# Altium PCB MPPT.PcbDoc (part 2 of 2)
Units mil, origin at the board's own origin, x right, y up, seen from the top; angles counter-clockwise.
Board outline 7295 x 4725 mil, 4 copper layers (Top, PWR_GND, GND, Bottom), stack 23.712 mil thick; 127 components, 78 nets, 435 pads, 134 vias.
Unrouted connection lines stored in the file: 11.
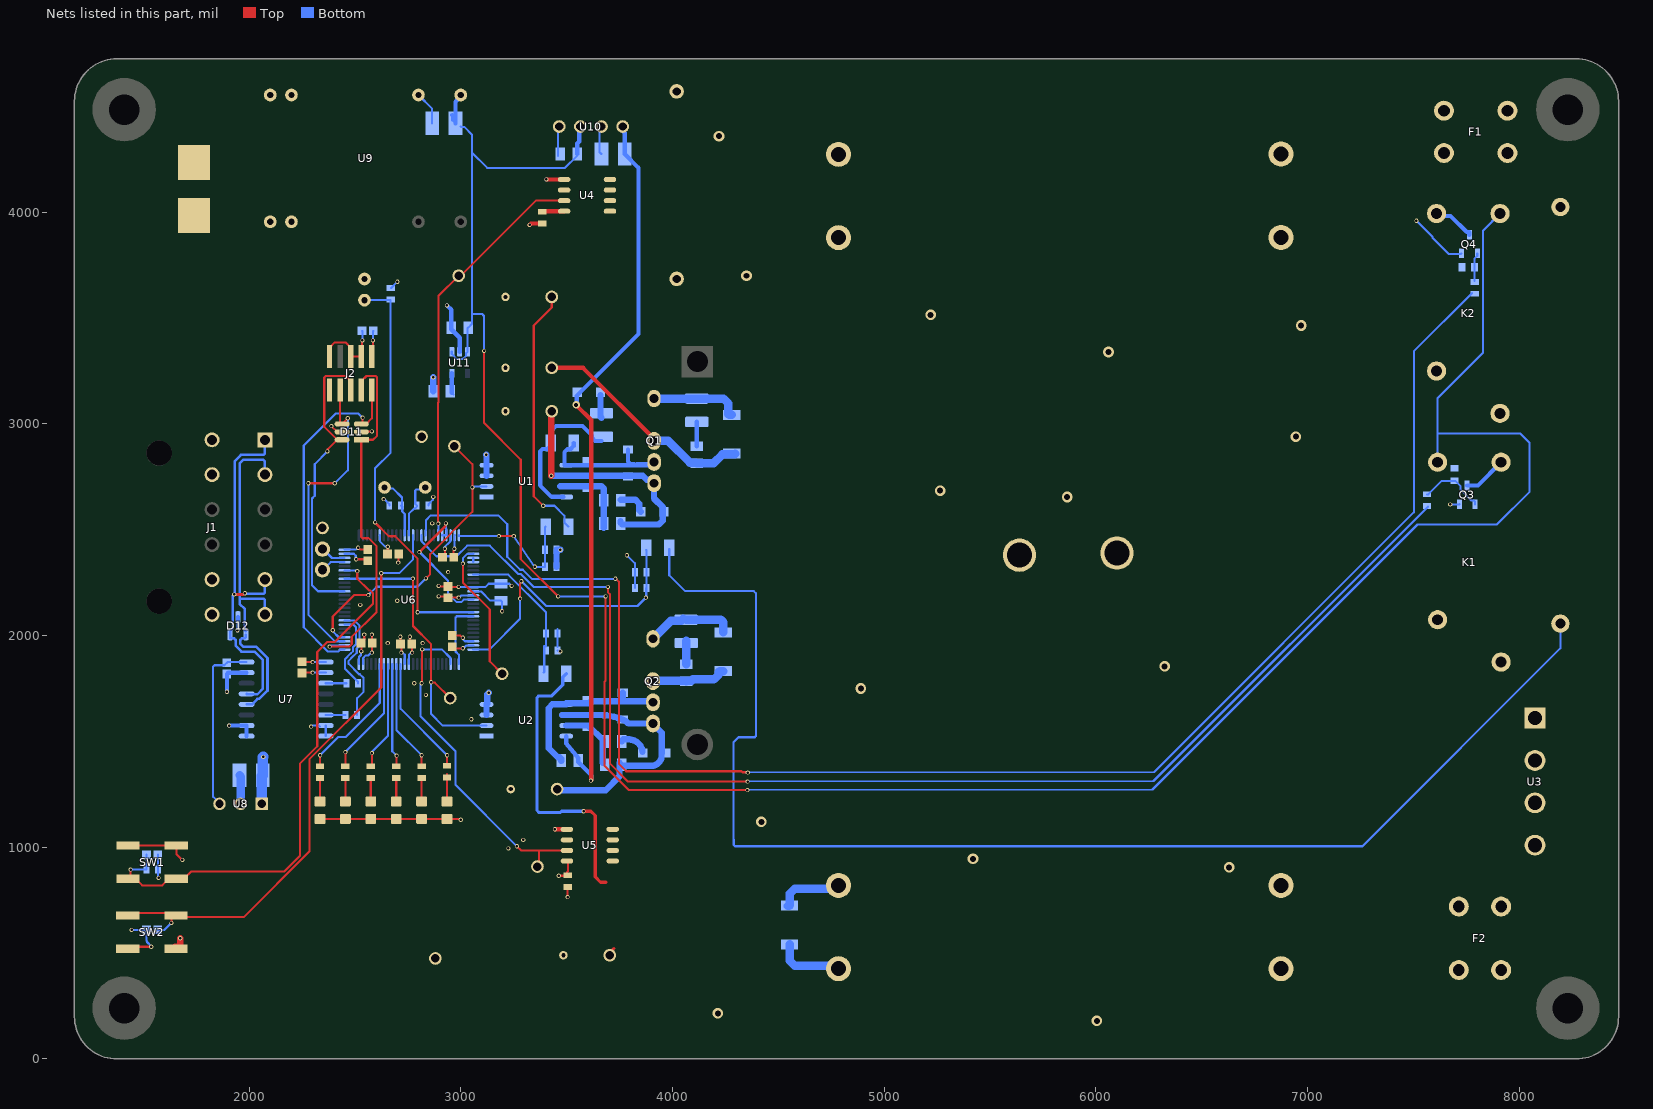
[diagram p4: the nets of this part, all layers, seen from the top]

## Part data (continued)
U11: library part CMP-171-000000-7, "Fixed Positive LDO Regulator, 3.3V, 0.25V Dropout, PDSO5", Dropout Voltage1-Max=250mV, Dropout Voltage1-Nom=120mV, Input Voltage Absolute-Max=6V, Max Input Voltage=5.5V, Min Input Voltage=2.2V, Operating Temperature, TJ-Max=125°C, Operating Temperature, TJ-Min=-40°C, Output Current1-Max=250mA, Output Voltage1-Max=3.366V, Output Voltage1-Min=3.234V, Output Voltage1-Nom=3.3V, Package="SOT-23-5 Texas Instruments", Package Body Material=Plastic, Package Code=LSSOP, Package Equivalence Code=TSOP5/6,.11,37, Package Shape=Rectangular, Package Style="SMALL OUTLINE, LOW PROFILE, SHRINK PITCHMeter", Peak Reflow Temperature (Cel)=260°C, Voltage Tolerance-Max=2%, Adjustability=FIXED, Arrow_Electronics-Purchase-URL=https://snapeda.com/shop?store=Arrow+Electronics&id=379728, Availability=Unavailable, Component Type=Standard, Design Item ID=LP5907MFX-3.0/NOPB, DigiKey-Purchase-URL=https://snapeda.com/shop?store=DigiKey&id=379728, Height - Seated (Max)=1.45mm, JESD-30 Code=R-PDSO-G5, JESD-609 Code=e3, Length=2.9mm, MF="Texas Instruments", Moisture Sensitivity Level=1, Mouser-Purchase-URL=https://snapeda.com/shop?store=Mouser&id=379728, MP=LP5907MFX-3.0/NOPB, Number of Functions=1, Number of Outputs=1, Number of Pins=5, Packaging="Tape and Reel", Pin Count=5, Price=None, Qualification Status="Not Qualified", Reach SVHC Compliant=Yes, Regulator Type="FIXED POSITIVE SINGLE OUTPUT LDO REGULATOR", RoHS Compliant=Yes, SnapEDA_Link=https://www.snapeda.com/parts/LP5907MFX-3.0/NOPB/Texas%20Instruments/view-part/379728/?ref=snap, Source=LP5907MFX-3.0_NOPB.SchLib, Surface Mount=Yes, Technology=CMOS, Terminal Finish=Tin, Terminal Form="Gull Wing", Terminal Pitch=0.95mm, Terminal Position=DUAL, Texas_Instruments-Purchase-URL=https://snapeda.com/shop?store=Texas+Instruments&id=379728, Width=1.6mm
Y1: library part CMP-003-00032-1, "Crystal 8MHz ±10ppm (Tol) ±10ppm (Stability) 18pF FUND 80Ohm 2-Pin HC-49/USX Thru-Hole Bulk", Case/Package=HC-49/USX, Frequency=8MHz, Load Capacitance=18pF, ESR=80, Mounting Technology=TH, Pins=2

## Via types
v1: diameter 19.68, hole 11.81, Top to Bottom, 118 vias
v2: diameter 50, hole 28, Top to Bottom, 15 vias
v3: diameter 35, hole 20, Top to Bottom, 1 vias

## Nets (pads, with @x,y where several pads share a name; then routed paths per layer and width w, separated by ;. In a path a pad name is that pad's centre, name@x,y a point inside that pad or via, vN(x,y) a via of type N, cw(c..) or ccw(c..) an arc to the next point about the centre after c; other vN are vias at no path point)
+3.3: C3.2 C4.2 C12.2 C13.2 C14.2 C15.2 C16.2 C17.2 C18.1 C19.2 C24.2 C25.2 C32.2 D13.1 D14.1 D15.1 D16.1 D17.1 D18.1 J2.1 J3.1 SW1.2 SW1.3 U1.1 U2.1 U4.8 U5.8 U6.6 U6.24 U6.36 U6.37 U6.49 U6.64 U6.75 U6.100 U7.1 U11.5 | length 2660.2
  Top w10: SW1.3@1428.27,1008.74 SW1.2@1656.61,1008.74 1656.61,968.39 v1(1685,940) ; C25.2@2250,1876.57 2251.57,1875 v1(2300,1875) ; D14.1@2335,1133.68 D18.1@2815,1133.68 D13.1@2935,1133.68 2993.7,1133.68 2997.38,1130 v1(3000,1130) ; v1(2515,2415) 2516.91,2415 2525.33,2406.57 C15.2@2560,2406.57 ; v1(2530.25,1925) 2530.25,1963.17 C12.2@2528.43,1965 2543.84,1980.42 v1(2543.84,2005) ; J2.1@2580,3319.06 2580,3324.64 2585,3329.64 v1(2585,3395) ; C16.2@2653.43,2385 2655,2386.57 v1(2655,2420) ; v1(2715,1995) C13.2@2715,1960 2720,1955 v1(2720,1920) ; v1(2895,2185) 2933.43,2185 C14.2@2940,2178.43 2941.57,2180 v1(2990,2180) ; C17.2@2960,1946.85 2966.85,1940 v1(3010,1940) ; C19.2@2966.57,2370 2966.57,2403.95 2970,2407.38 v1(2970,2410) ; v1(3462.91,865.56) 3503,865.56 C4.2@3505,867.56 ; C4.2@3493.33,873.33 3506.73,886.73 U5.8@3506.73,935
  Top w20: C3.2@3385,4002.56 3387.44,4005 U4.8@3488.46,4005
  Bottom w10: v1(2300,1875) U7.1@2362.01,1875 ; U6.100@2450.87,2406.22 2503.6,2406.22 2512.38,2415 v1(2515,2415) ; U6.75@2518.78,1865.87 2519.13,1866.21 2519.13,1898.84 2528.4,1908.12 2528.4,1923.15 v1(2530.25,1925) ; v1(2585,3395) 2585,3438.43 C24.2@2586.57,3440 ; U6.6@2617.2,2474.13 2617.55,2473.79 2617.55,2445.51 2641.21,2421.85 2653.15,2421.85 v1(2655,2420) ; v1(2720,1920) 2721.85,1918.15 2726.58,1918.15 2735.31,1909.41 U6.64@2735.31,1865.87 ; C32.2@2957.6,3147.4 C32.2@2965,3140 ; v1@2971.19,2405.53 2971.19,2473.79 U6.24@2971.54,2474.13 ; v1(2990,2180) 2992.62,2180 3002.31,2189.69 U6.37@3059.13,2189.69 U6.36@3059.13,2209.37 3059.48,2209.02 3095.84,2209.02 3139.87,2165 C18.1@3190,2165 3195,2160 v1(3195,2115) ; v1(3010,1940) 3012.62,1940 3025.74,1953.12 3058.79,1953.12 U6.49@3059.13,1953.46
  Bottom w20: C32.2@2957.6,3147.4 2957.6,3155 U11.5@2957.6,3240.59
+5: C29.1 C30.1 C33.2 K1.2 K2.1 U9.14 U10.2 U11.1 U11.3 | length 11653.7
  Top w10: v1(3110,3345) 3110,3005 3283.42,2831.58 3283.42,2361.58 v1(3460,2185) ; v1(3684.06,2185) 3684.06,1786.5 3679.21,1781.66 3679.21,1385.79 3795,1270 v1(4354.62,1270)
  Bottom w10: U11.1@2957.6,3341.18 2957.6,3331.34 2971.19,3317.75 2971.19,3315.73 2979.39,3307.53 3010.61,3307.53 3025.59,3322.51 3025.59,3334.37 U11.3@3032.4,3341.18 3032.4,3452.4 C33.2@3035,3455 3052.5,3472.5 3052.5,3520 ; C29.1@2960,4460 2960,4435 C29.1@2975,4420 ; C29.1@3000,4405.86 3002.5,4403.36 3016.64,4403.36 3052.5,4367.5 3052.5,4282.5 ; v1(3110,3345) 3110,3510 3100,3520 3052.5,3520 ; v1(3460,2185) v1(3684.06,2185) ; C30.1@3550,4275 3550,4267.5 3492.5,4210 3125,4210 3052.5,4282.5 ; v1(4354.62,1270) 6267.93,1272.93 7520,2525 7895,2525 8050,2680 8050,2910 8005,2955 7615,2955 ; K1.2@7615,2819.09 7615,2955 ; K2.1@7910,3994.09 7830,3914.09 7830,3337.65 7615,3122.65 7615,2955 ; 3052.5,3520 3052.5,4282.5
  Bottom w20: C29.1@2960,4460 C29.1@2975,4445 ; C29.1@2975,4420 C29.1@2975,4445 ; U9.14@3000,4554.21 3000,4547.5 2975,4522.5 C29.1@2975,4445 ; C30.1@3550,4275 3550,4325 3559.51,4334.51 U10.2@3559.51,4395
"+5 Car": C26.1 U7.16 U8.3 | length 828.2
  Bottom w10: U8.3@1860,1205 1860,1207.97 1830,1237.97 1830,1854.14 1835.86,1860 1883.43,1860 C26.1@1895,1871.57 1898.43,1875 U7.16@1987.99,1875
+15: C2.2 C31.2 D1.2 U2.8 U10.4 | length 3527.1
  Top w20: v3(3545,3090) 3616.71,3018.29 3616.71,1316.71 v1(3615,1315)
  Bottom w20: U2.8@3498.21,1525 3498.21,1490.61 3555.32,1421.45 3555.32,1413.31 3555.23,1412.36 C2.2@3555,1410 ; v3(3545,3090) 3547.5,3092.5 3547.5,3132.5 3840,3425 3840,4210 C31.2@3775,4275 3775,4374.18 3755,4394.18 U10.4@3755,4405 ; C2.2@3555,1402.5 3616.71,1340.79 3616.71,1316.71 v1(3615,1315)
+24: F3.2 J1.7 J1.12
Array+: F2.1 U3.3
Array_HAL_REF: U5.6
Array_Measure: F2.2 M3.1 R11A.2 U5.1 U5.2 | length 1418.9
  Top w15: v1(3580,1170) 3615,1170 3635,1150 3635,860 3660,835 3685,835 ; M3.1@3703.7,490 3703.7,502.18 3723.27,521.74
  Bottom w15: R11A.2@3499.13,1820 3482.03,1802.89 3482.03,1766.98 3430.05,1715 3368.79,1715 3360,1706.21 3360,1173.79 3368.79,1165 3471.26,1165 3476.26,1170 v1(3580,1170)
ARRAY_VOLTAGE_BUFFER_OUT: U6.28 U6.29 | length 19.7
  Bottom w10: U6.29@3059.13,2347.17 U6.28@3059.13,2366.85
Bat+: K1.3 K2.4 U3.1
BAT_HAL_REF: U4.6
BATT_VOLTAGE_BUFFER_OUT: U6.21 U6.22 U6.38 | length 656
  Top w10: v1(2805,2395) 2928.15,2518.15 2928.15,2528.15 v1(2930,2530)
  Bottom w10: v1(2805,2395) 2940,2260 2940,2199.11 2980.95,2158.16 3002.38,2158.16 3014.23,2170 U6.38@3059.13,2170 ; U6.21@2912.48,2474.13 U6.22@2932.17,2474.13 2931.82,2474.48 2931.82,2503.34 2930,2505.16 v1(2930,2530)
boost_output: C6.2 C7.2 C8.2 D8.1 M5.1 Q1.1 R6.2 R11B.2 U4.1 U4.2 | length 1647.6
  Top w10: v1(3390,2613.43) 3345,2658.43 3345,3465 3430,3550 M5.1@3430,3600
  Bottom w10: v1(3390,2613.43) 3443.09,2613.43 3489.53,2566.98 3489.53,2534.61 R11B.2@3509.13,2515
  Bottom w40: Q1.1@3913.15,3120 R6.2@4115,3120 4241.24,3120 4264.67,3096.57 4264.67,3046.3 4268.29,3042.68 D8.1@4280,3042.68
BOOT0: C20.2 R8.2 SW1.1 SW1.4 U6.95 | length 2656.6
  Top w10: v1(1440,895) 1440,865.95 1454.69,851.26 1463.7,851.26 1494.96,820 1589.92,820 1621.18,851.26 SW1.1@1656.61,851.26 1692.05,851.26 1726.69,885.9 2166.86,885.9 2240,959.04 2240,1394.93 2321.84,1476.77 2321.84,1922.73 2369.11,1970 2405,1970 2585.44,2150.44 2585.44,2200.72 2572.65,2213.52 2566.48,2213.52 2511.11,2268.89 v1(2511.11,2304.63)
  Bottom w10: v1(1440,895) R8.2@1514.88,895 1514.88,964.01 C20.2@1515.87,965 ; U6.95@2450.87,2307.8 2507.95,2307.8 v1(2511.11,2304.63)
Bootrstrap: C1.2 R1.1 U1.8 | length 688
  Bottom w20: C1.2@3425,2910 3425,2896.49 3410.39,2881.88 3386.72,2881.88 3375,2870.17 3375,2710 3429.44,2655.56 3484.44,2655.56 U1.8@3485,2655 ; C1.2@3425,2930 3425,2965.2 3449.8,2990 3575,2990 3619.88,2945.12 3619.88,2934.61 3634.49,2920 R1.1@3665,2920
CAN_N: D12.1 J1.2 J1.6 U7.12 | length 1686.3
  Bottom w12: D12.1@1985,2005 1985,1992.87 1979.19,1987.06 1965.63,1987.06 1958.6,1980.03 1958.6,1961.4 1973.23,1946.77 2034.34,1946.77 2087,1894.11 2087,1740.2 2047.58,1700.78 2039.36,1700.78 2013.58,1675 U7.12@1987.99,1675 ; D12.1@1985,2020.75 1980,2025.75 1980,2125.39 1955.49,2149.9 1955.49,2175.75 ; J1.6@2074.8,2100 2074.8,2167.97 2067.77,2175 1956.23,2175 1955.49,2175.75 ; J1.2@2074.8,2760.24 2074.8,2822.97 2067.77,2830 1971.36,2830 1956.23,2814.87 1956.23,2193.13 1955.49,2192.38 1955.49,2175.75
CAN_P: D12.2 J1.1 J1.5 U7.13 | length 1717.2
  Top w15: v1(1930,2195) 1973.73,2195 1978.73,2200 v1(1980,2200)
  Bottom w12: v1(1980,2200) 1981.47,2198.53 1986.9,2198.53 1988.43,2197 2067.77,2197 2074.8,2204.03 J1.5@2074.8,2264.96 ; U7.13@1987.99,1725 1990.22,1722.78 2038.46,1722.78 2065,1749.31 2065,1885 2025.23,1924.77 1964.11,1924.77 1936.6,1952.29 1936.6,1980.03 1929.57,1987.06 1912.39,1987.06 1910.2,1989.25 D12.2@1910.2,2005 1910.2,2020.75 1922,2032.55 1922,2101.36 1922,2186.37 1930,2194.37 v1(1930,2195) 1931.47,2196.47 1931.47,2201.9 1932.52,2202.95 1932.52,2824.69 1961.54,2853.72 2067.77,2853.72 2074.8,2860.75 J1.1@2074.8,2925.2
CAN_RX: R9.1 U6.82 | length 371.3
  Bottom w10: U6.82@2450.87,2051.89 2493.11,2051.89 2505,2040 2505,1959.68 2491.41,1946.09 2491.41,1926.36 2480.92,1915.87 2453,1887.95 2453,1843.03 2515.12,1780.91 R9.1@2515.12,1775
CAN_TX: R10.1 U6.83 | length 569.3
  Bottom w10: U6.83@2450.87,2071.57 2497.47,2071.57 2522,2047.04 2522,1952.64 2508.41,1939.05 2508.41,1919.32 2487.96,1898.87 2470,1880.91 2470,1866.69 2518.95,1817.73 2522.82,1817.73 2540.9,1799.66 2540.9,1735.06 2510.12,1704.28 R10.1@2510.12,1625
CAR_GND: C26.2 C28.1 D12.3 J1.8 J1.11 U7.9 U7.10 U7.15 U8.2 U9.2 U9.3 | length 519.3
  Bottom w20: v1(1895,1735) C26.2@1895,1818.43 1901.57,1825 U7.15@1987.99,1825 ; v1(1905.72,1574.91) 1905.81,1575 U7.10@1987.99,1575 U7.9@1987.99,1525 ; v1(1945,2025) 1947.6,2027.6 D12.3@1947.6,2087.68
  Bottom w40: C28.1@1955,1340 1961.35,1333.65 1961.35,1203.65 U8.2@1965,1200
DEBUG: TP8.0 U6.27 | length 680.1
  Top w10: v1(3010,2340) 3010,2250.89 3136.84,2124.05 3136.84,1878.16 TP8.0@3195,1820
  Bottom w10: v1(3010,2340) 3010,2365.68 3030.51,2386.19 3058.79,2386.19 U6.27@3059.13,2386.54
GATE_HIGH: TP3.0 U1.2 U6.79 | length 1471.6
  Top w10: v1(2395,2025) 2395,2090 2496.67,2191.67 v1(2563.6,2191.67) ; v1(2835,2270) 2855,2290 2855,2385 3055,2585 3055,2810 TP3.0@2970,2895
  Bottom w10: v1(2395,2025) 2396.85,2023.15 2396.85,2018.57 2422.25,1993.18 2450.52,1993.18 U6.79@2450.87,1992.83 ; v1(2563.6,2191.67) 2602.76,2230.84 2795.84,2230.84 v1(2835,2270) ; v1(3055,2700) 3057.62,2700 3062.62,2705 U1.2@3121.79,2705
GATE_LOW: TP4.0 U2.2 U6.93 | length 1404.3
  Top w10: v1(2774.31,2269.32) 2774.31,2045.68 2860,1960 v1(2860,1780) 2861.85,1778.15 2876.85,1778.15 TP4.0@2950,1705
  Bottom w10: U6.93@2450.87,2268.43 2451.21,2268.77 2773.77,2268.77 v1(2774.31,2269.32) ; v1(2860,1780) 2860,1630 2915,1575 U2.2@3121.79,1575
GDriveHigh: D2.2 R2.1 R3.1 U1.7 | length 384.4
  Bottom w30: U1.7@3470,2705 U1.7@3498.21,2705 3595,2705 3665,2705 3675,2695 R3.1@3675,2640 R2.1@3675,2540 ; R2.1@3675,2509.75 R2.1@3675,2530
GDriveLow: D5.2 R4.1 R5.1 U2.7 | length 307.2
  Bottom w30: U2.7@3498.21,1575 3570,1575 3602.5,1575 3670,1507.5 3670,1500 R4.1@3670,1400
GND: C3.1 C4.1 C6.1 C7.1 C8.1 C9.1 C10.1 C11.1 C12.1 C13.1 C14.1 C15.1 C16.1 C17.1 C18.2 C19.1 C20.1 C21.1 C22.1 C23.1 C24.1 C25.1 C27A.1 C27B.1 C27C.1 C29.2 C30.2 C31.1 C32.1 C33.1 D9.2 D10.2 D11.2 D11.5 J2.3 J2.5 J2.9 M1.0 M2.0 M3.0 M4.0 M5.0 Q2.2 Q3.2 Q4.2 R8.1 R12A.1 R12B.1 R12C.1 R15.1 R17.1 R24.1 SW2.1 SW2.4 TP5.0 TP6.0 TP7.0 U1.3 U1.4 U2.3 U2.4 U3.2 U3.4 U4.5 U5.5 U6.23 U6.35 U6.48 U6.63 U6.74 U6.99 U7.2 U7.7 U7.8 U9.16 U10.1 U10.3 U11.2 | length 4928.4
  Top w10: SW2.4@1424.53,530 v1(1537.44,530) ; C25.1@2250,1823.43 2251.57,1825 v1(2300,1825) ; J2.9@2380,3319.06 2380,3360.59 2404.8,3385.39 2455.2,3385.39 2480,3360.59 J2.5@2480,3319.06 J2.3@2530,3319.06 2533.15,3322.2 2533.15,3393.15 v1(2535,3395) ; v1(2388.95,2989.6) 2415.97,2962.6 D11.5@2439.39,2962.6 ; v1(2505.46,2360.72) 2552.7,2360.72 C15.1@2560,2353.43 ; D11.2@2530,2962.6 2531.2,2963.8 2578.8,2963.8 v1(2580,2965) ; v1(2580,1920) 2580,1963.43 C12.1@2581.57,1965 2580,1966.57 v1(2580,2005) ; v1(2705,2345) 2705,2383.43 C16.1@2706.57,2385 ; v1(2760,1995) 2760,1968.15 C13.1@2768.15,1960 2770,1958.15 v1(2770,1920) ; v1(2895,2235) 2897.62,2235 2901.05,2231.57 C14.1@2940,2231.57 2941.57,2230 v1(2990,2230) ; C19.1@2913.43,2370 2925,2381.57 v1(2925,2410) ; C17.1@2960,2000 2997.38,2000 3007.38,1990 v1(3010,1990) ; v1(3505,765) C4.1@3505,812.44
  Top w20: v1(3325,3940) 3332.44,3947.44 C3.1@3385,3947.44 ; v1(3405,4155) U4.5@3493.94,4155 ; v1(3445,1085) U5.5@3506.73,1085
  Top w30: SW2.1@1651.61,531.26 1670.31,531.26 1675,535.95 v1(1675,570)
  Bottom w10: v1(1445,610) C21.1@1515.87,610 1515.87,556.57 1517.44,555 1517.44,552.62 1537.44,532.62 v1(1537.44,530) ; C20.1@1569.01,965 1570,964.01 R8.1@1570,895 1570,857.44 v1(1572.44,855) ; v1(2293.03,1570) 2295.65,1570 2300.65,1575 2330.12,1575 2334.33,1570.79 U7.7@2334.33,1570 ; v1(2300,1825) U7.2@2362.01,1825 ; U7.8@2362.01,1525 U7.7@2362.01,1575 ; U6.99@2450.87,2386.54 2494.41,2386.54 2503.61,2377.34 2503.61,2362.57 v1(2505.46,2360.72) ; C24.1@2533.43,3440 2535,3438.43 v1(2535,3395) ; U6.74@2538.46,1865.87 2538.81,1866.21 2538.81,1894.49 2551.06,1906.74 2564.12,1906.74 2577.38,1920 v1(2580,1920) ; v1(2635,2645) 2636.85,2643.15 2640.2,2643.15 2662.44,2620.91 C22.1@2662.44,2615 ; R24.1@2670,3642.56 2671.57,3642.56 v1(2700.67,3671.65) ; U6.63@2755,1865.87 2755,1909.41 2763.74,1918.15 2768.15,1918.15 v1(2770,1920) ; U9.16@2800,4554.21 2865,4489.21 C29.2@2865,4420 ; C23.1@2847.56,2615 2847.56,2620.91 2868.15,2641.49 2868.15,2653.15 v1(2870,2655) ; v1@2920.47,2415.47 2938.59,2433.59 2939.58,2433.59 2951.5,2445.51 2951.5,2473.79 U6.23@2951.85,2474.13 ; v1(2990,2230) 2990.6,2229.4 3058.79,2229.4 U6.35@3059.13,2229.06 3115.66,2229.06 3131.6,2245 3229.67,2245 3239.67,2235 v1(3240,2235) ; v1(3010,1990) 3011.85,1988.15 3011.85,1980.77 3019.48,1973.15 U6.48@3059.13,1973.15 ; C27A.1@3457.56,1930 3462.56,1925 v1(3470.94,1925) ; C27A.1@3457.56,1946.54 3457.56,2030 ; C30.2@3459.51,4265 U10.1@3459.51,4395 ; U10.3@3655,4405 3655,4285 C31.1@3665,4275 ; v1(3785,2380) 3822.44,2342.56 R12C.1@3822.44,2300 C27C.1@3822.44,2225 ; v1(7515,3960) 7591.64,3883.36 7591.64,3878.36 7666.43,3803.57 7725.46,3803.57 Q4.2@7727.6,3805.71 ; v1(7675,2620) 7716.89,2620 Q3.2@7717.6,2620.71
  Bottom w20: v1(2934.89,3560) 2955,3539.89 C33.1@2955,3455 2955,3447.5 2995,3407.5 U11.2@2995,3339.41
  Bottom w30: C32.1@2870,3155 v1(2870,3220) ; v1(3120,2855) 3121.79,2853.21 U1.3@3121.79,2755 ; U2.3@3121.79,1625 U2.4@3121.79,1675 3125.33,1678.54 3125.33,1723.49 v1(3131.84,1730) ; R12B.1@3452.56,2325 C27B.1@3452.56,2405 v1(3470.94,2405)
  Bottom w40: Q2.2@3908.15,1785 3909.36,1786.21 C11.1@4063.79,1786.21 ; C11.1@4065,1785 4067.5,1787.5 4091.72,1787.5 4097,1792.79 4195.82,1792.79 4219.25,1816.22 4219.25,1828.7 4222.87,1832.32 D10.2@4240,1832.32 ; D9.2@4553.47,541.81 4553.47,464.68 4576.9,441.25 C9.1@4790,441.25
  other v1: 3225,995 3295,1035 3050,1605 2835,1720 2780,1775 2655,1965 2820,1965 2525,2145 2700,2165 2940,2300 2865,2530
  other v2: 6005,180 4215,215 6630,905 5420,945 4420,1120 4890,1750 6325,1855 5865,2655 5265,2685 6945,2940 6060,3340 6970,3465 5220,3515 4350,3700 4220,4360
HIGH_SIDE_GATE: D3.2 D6.2 M2.1 Q1.4 R2.2 U1.6 | length 1224.7
  Top w20: Q1.4@3913.15,2720 Q1.4@3913.15,2730
  Top w30: M2.1@3421.27,3055.8 3427.37,3049.71 v1(3427.37,2755)
  Bottom w30: v1(3427.37,2755) 3790,2755 3820,2755 3860,2755 3878.49,2736.51 3897.44,2736.51 3913.15,2720.8 Q1.4@3913.15,2720 3913.15,2648 3953.58,2607.57 3953.58,2542.57 3936.01,2525 3762.5,2525 3755,2532.5 R2.2@3755,2540
IND0: R19.1 U6.70 | length 629.4
  Top w10: R19.1@2335,1382.57 2340.91,1382.57 2335,1388.48 v1(2335,1435)
  Bottom w10: v1(2335,1435) 2421.1,1521.1 2456.65,1521.1 2617.2,1681.65 U6.70@2617.2,1865.87
IND1: R20.1 U6.69 | length 558.6
  Top w10: R20.1@2455,1382.57 v1(2455,1450)
  Bottom w10: v1(2455,1450) 2636.89,1631.89 U6.69@2636.89,1865.87
IND2: R21.1 U6.68 | length 517.1
  Top w10: R21.1@2575,1382.57 2580,1387.57 v1(2580,1445)
  Bottom w10: v1(2580,1445) 2580,1450 2656.57,1526.57 U6.68@2656.57,1865.87
IND3: R22.1 U6.67 | length 492.7
  Top w10: R22.1@2695,1382.57 2697.01,1384.59 v1(2697.01,1432.94)
  Bottom w10: U6.67@2676.26,1865.87 2676.26,1453.69 v1(2697.01,1432.94)
IND4: R23.1 U6.66 | length 532.6
  Top w10: R23.1@2815,1382.57 v1(2815,1435)
  Bottom w10: U6.66@2695.94,1865.87 2695.94,1554.06 v1(2815,1435)
IND5: R18.1 U6.65 | length 571.6
  Top w10: R18.1@2935,1385.13 v1(2935,1435)
  Bottom w10: U6.65@2715.63,1865.87 2715.63,1654.37 v1(2935,1435)
inductor_input: C9.2 C10.2 D9.1 L1.1 U5.3 U5.4 | length 304.8
  Bottom w40: D9.1@4545,722.68 4551.66,722.68 4555.28,726.3 4555.28,781.62 4578.71,805.05 4755.05,805.05 C9.2@4775,825
JTCK: D11.1 J2.4 U6.77 | length 1730.8
  Top w10: v1(2380,1948.16) 2381.09,1949.24 2474.24,1949.24 2485,1960 2485,1993.95 2602.44,2111.39 2602.44,2422.44 2564.88,2460 2535.86,2460 2530,2465.86 D11.1@2530,2925.2 2585.2,2925.2 2604.8,2944.8 2604.8,3219.3 2597.77,3226.33 2554.8,3226.33 2530,3201.54 J2.4@2530,3160
  Bottom w10: v1(2380,1948.16) 2382.62,1948.16 2387.93,1953.46 U6.77@2450.87,1953.46
JTDI: D11.4 J2.8 U6.78 | length 1505.3
  Top w10: v1(2280,2720) v1(2405,2720) ; J2.8@2430,3160 2430,3006.58 2436.58,3000 D11.4@2439.39,3000 2466.04,3026.65 v1(2466.4,3026.65)
  Bottom w10: v1(2280,2720) 2280,2097.98 2404.83,1973.15 U6.78@2450.87,1973.15 ; v1(2405,2720) 2466.4,2781.4 v1(2466.4,3026.65)
JTDO: D11.6 J2.6 U6.90 | length 1424.4
  Top w10: v1(2370,2870) 2371.85,2871.85 2371.85,2881.06 D11.6@2415.99,2925.2 ; D11.6@2439.39,2925.2 2425.2,2925.2 D11.6@2415.99,2925.2 ; J2.6@2480,3160 2480,3201.54 2455.2,3226.33 2362.23,3226.33 2355.2,3219.3 2355.2,2985.98 D11.6@2415.99,2925.2
  Bottom w10: v1(2370,2870) 2310,2810 2310,2660.96 2297,2647.96 2297,2238 2325.28,2209.72 2450.52,2209.72 U6.90@2450.87,2209.37
JTMS: D11.3 J2.2 U6.76 | length 1677.7
  Top w10: v1(2535.78,3029.71) 2535.78,3005.78 D11.3@2530,3000 2553.4,3000 2580,3026.6 J2.2@2580,3160
  Bottom w10: U6.76@2450.87,1933.78 2428.72,1933.78 2427.88,1932.94 2427.88,1931.42 2421.46,1925 2372.27,1925 2258.16,2039.11 2258.16,2898.16 2408.49,3048.49 2517,3048.49 v1(2535.78,3029.71)
KELVIN_SENSE_HIGH: C1.1 D2.1 D6.1 Q1.3 U1.5 | length 743.5
  Bottom w20: U1.5@3498.21,2805 U1.5@3491.35,2805 ; C1.1@3533.27,2910 3533.27,2895.24 3518.66,2880.63 3503.9,2880.63 3490,2866.73 3490,2806.35 U1.5@3491.35,2805 ; D6.1@3790,2879.12 3790,2821.72 3801.72,2810 3820,2810 ; 3831.72,2810 3885.72,2810 3903.15,2810 Q1.3@3913.15,2820 3906.92,2813.77 cw(c3885.72,2835) 3885.72,2805 3831.72,2805 3820,2805 3801.72,2805 3790,2805 3595,2805 U1.5@3491.35,2805
KELVIN_SENSE_LOW: C2.1 D5.1 D7.1 Q2.3 U2.5 | length 814.3
  Bottom w30: C2.1@3475,1407.5 3475,1417.5 3467.5,1425 3457.5,1425 3415,1467.5 3415,1657.43 3432.57,1675 U2.5@3498.21,1675 ; U2.5@3498.21,1680 3595,1680 D5.1@3605,1680 ; D5.1@3606.21,1681.21 cw(c3627.43,1660) 3627.43,1690 3765,1690 3800,1690 3903.15,1690 Q2.3@3908.15,1685 ; 3765,1700 D7.1@3765,1730
LOW_SIDE_GATE: D4.2 D7.2 M1.1 Q2.4 R4.2 U2.6 | length 1229.3
  Bottom w30: M1.1@3454.23,1270 3685,1270 3750,1335 3750,1400 3752.5,1390 3773.29,1385.79 ccw(c3781.22,1425) 3781.14,1385 3903.43,1385 ccw(c3903.43,1425) 3931.68,1396.68 3936.94,1401.94 ccw(c3908.58,1430.15) 3948.58,1430.15 3948.58,1443.35 3950.24,1445 3950.24,1540.43 3908.15,1582.51 Q2.4@3908.15,1585 3849.61,1585 3792.18,1585 ccw(c3732.9,1525.99) 3773.83,1598.94 D7.2@3765,1603.23 3755.39,1607.02 ccw(c3655.87,1340.6) 3655.87,1625 U2.6@3498.21,1625 U2.6@3480,1625
NetC5_2: C5.2 R6.1 | length 115
  Bottom w20: C5.2@4115,2895 R6.1@4115,3010
NetC11_2: C11.2 R7.1 | length 110
  Bottom w40: C11.2@4065,1865 R7.1@4065,1965 R7.1@4065,1975
NetC22_2: C22.2 U6.12 Y1.2 | length 287.9
  Bottom w10: Y1.2@2640,2700 2644.14,2695.86 2679.14,2695.86 2722.56,2652.44 C22.2@2722.56,2615 ; C22.2@2717.56,2615 2723.62,2608.94 2723.62,2586.38 2735.31,2574.69 U6.12@2735.31,2474.13
NetC23_2: C23.2 U6.13 Y1.1 | length 283.3
  Bottom w10: U6.13@2755,2474.13 2755,2575.86 2779.46,2600.31 2783.66,2600.31 2792.44,2609.09 C23.2@2792.44,2613.3 ; C23.2@2792.44,2615 2785,2622.44 2785,2684.58 2790.86,2690.43 2822.56,2690.43 Y1.1@2832.13,2700
NetC27A_2: C27A.2 R11A.1 R12A.2 U6.32 | length 711.1
  Bottom w10: U6.32@3059.13,2288.11 3224.27,2288.11 3402.44,2109.94 R12A.2@3402.44,2010 3402.44,1950 3395,1950 ; R11A.1@3390.87,1825 3394.66,1828.79 3394.66,1950
NetC27B_2: C27B.2 R11B.1 R12B.2 U6.25 | length 677.4
  Top w10: v1(3180,2470) v1(3250,2470)
  Bottom w10: U6.25@2991.22,2474.13 2991.22,2470.84 2992.06,2470 v1(3180,2470) ; v1(3250,2470) 3345.03,2330.86 v1(3350.44,2325.44) ; v1@3350,2325 R12B.2@3397.44,2325 C27B.2@3397.44,2405 3397.44,2511.57 R11B.1@3400.87,2515
NetC27C_2: C27C.2 R11C.1 R12C.2 U6.50 | length 1340.8
  Top w10: v1(3280,2175) 3280,2247.38 3286.63,2254.01 v1(3286.63,2256.63)
  Bottom w10: U6.50@3059.13,1933.78 3133.78,1933.78 3280,2080 v1(3280,2175) ; v1(3286.63,2256.63) 3403.27,2140 3835,2140 v1(3875,2180) 3876.28,2181.28 3876.28,2223.72 C27C.2@3877.56,2225 R12C.2@3877.56,2300 3877.56,2403.31 R11C.1@3875.87,2405
NetC28_2: C28.2 F3.1 U8.1 U9.22 U9.23 | length 224.7
  Bottom w50: U8.1@2060,1205 2060,1335 C28.2@2065,1340 2065,1424.94 v1(2066.89,1426.83)
NetD1_1: D1.1 R1.2 | length 107
  Bottom w30: D1.1@3660.24,3135 3660.24,3034.76 R1.2@3665,3030
NetD3_1: D3.1 R3.2 | length 135.8
  Bottom w30: R3.2@3756.11,2641.11 3825.77,2641.11 3843.35,2623.54 3843.35,2591.65 D3.1@3850,2585
NetD4_1: D4.1 R5.2 | length 134.2
  Bottom w30: R5.2@3760,1500 3767.5,1510 3797.07,1510 cw(c3791.75,1442.36) 3842.5,1487.39 cw(c3791.75,1442.36) 3851.27,1474.94 cw(c3793.39,1443.39) 3858.79,1451.65 D4.1@3858.82,1451.41
NetD13_2: D13.2 R18.2 | length 128.6
  Top w10: D13.2@2935,1216.35 R18.2@2935,1330.01 2935,1345
NetD14_2: D14.2 R19.2 | length 111.1
  Top w10: D14.2@2335,1216.35 R19.2@2335,1327.45
NetD15_2: D15.2 R20.2 | length 111.1
  Top w10: D15.2@2455,1216.35 R20.2@2455,1327.45
NetD16_2: D16.2 R21.2 | length 114.2
  Top w10: D16.2@2575,1216.35 R21.2@2575,1327.45 R21.2@2575,1330.59
NetD17_2: D17.2 R22.2 | length 111.1
  Top w10: D17.2@2695,1216.35 R22.2@2695,1327.45
NetD18_2: D18.2 R23.2 | length 111.1
  Top w10: D18.2@2815,1216.35 R23.2@2815,1327.45
NetF1_1: F1.1 U4.3 U4.4
NetF1_2: F1.2 K2.3 R13.1
NetJ2_10: J2.10
NetJ3_2: J3.2 R24.2 U6.41 | length 1995.5
  Top w10: v1(2595,2535) 2595,2534.7 2660.45,2469.25 2690.75,2469.25 2796.16,2363.84 v1(2796.16,2110)
  Bottom w10: J3.2@2545,3585 2546.22,3586.22 2668.78,3586.22 2668.78,2863.78 2595,2790 v1(2595,2535) ; v1(2796.16,2110) 2796.76,2110.6 3058.79,2110.6 U6.41@3059.13,2110.94
NetJ4_1: J4.1 U6.97 | length 115.8
  Bottom w10: J4.1@2350,2311.18 2385.98,2347.17 U6.97@2450.87,2347.17
NetJ4_2: J4.2 U6.98 | length 118.3
  Bottom w10: J4.2@2350,2408.82 2391.97,2366.85 U6.98@2450.87,2366.85
NetK1_1: K1.1 Q3.3 | length 205.5
  Bottom w20: Q3.3@7755,2709.29 7805.2,2709.29 K1.1@7915,2819.09
NetK1_4: K1.4 R11C.2 R13.2 | length 6260
  Bottom w10: R11C.2@3985,2409.62 3985,2285 4060,2210 4385,2210 4395,2200 4395,1525.86 4389.14,1520 4311.88,1520 4288.44,1496.56 4288.44,1069.52 4289.63,1010.77 4292.47,1007.93 4295.4,1005 7260,1005 8195,1940 R13.2@8195,2056.51
NetK2_2: K2.2 Q4.3 | length 202.7
  Bottom w20: K2.2@7610,3994.09 7621.24,3982.86 7676.44,3982.86 7752.36,3906.93 7763.19,3906.93 7765,3905.12 Q4.3@7765,3894.29
NetQ3_1: Q3.1 R14.2 R15.2 | length 315.6
  Bottom w10: R14.2@7565,2667.56 7570.91,2667.56 7634.29,2730.94 R15.2@7695,2730.94 7698.94,2730.94 7723.95,2705.93 7723.95,2688.92 7774.53,2638.35 7785.59,2638.35 7792.4,2631.53 Q3.1@7792.4,2620.71
NetQ4_1: Q4.1 R16.2 R17.2 | length 135.4
  Bottom w10: R16.2@7789.53,3675.47 R17.2@7789.53,3740 ; R17.2@7790,3740 7790,3782.48 7802.4,3794.88 Q4.1@7802.4,3805.71
NetR9_2: R9.2 U7.3 | length 98
  Bottom w10: U7.3@2362.01,1775 R9.2@2460,1775
NetR10_2: R10.2 U7.6 | length 93
  Bottom w10: U7.6@2362.01,1625 R10.2@2455,1625
NetR14_1: R14.1 U6.16 | length 6316.6
  Top w10: v1(3695,2230) 3695,2204.95 3705.9,2194.05 3705.9,1394.1 3790,1310 v1(4355.04,1310)
  Bottom w10: U6.16@2814.06,2474.13 2814.4,2473.79 2814.4,2445.51 2884.87,2375.05 2980,2375.05 3029.95,2425 3136.92,2425 3270.92,2291 3283.16,2291 3344.16,2230 v1(3695,2230) ; v1(4355.04,1310) 6272.93,1312.93 R14.1@7570,2610
NetR16_1: R16.1 U6.17 | length 7503.5
  Top w10: v1@3727.93,2267.93 3734.05,2267.93 3746.84,2255.13 3746.84,1394.01 3781.53,1359.33 4325.65,1359.33 4330.65,1354.33 4354.1,1354.33 v1(4355.49,1352.93)
  Bottom w10: U6.17@2833.74,2474.13 2833.74,2497.26 2835.52,2499.04 2835.52,2545.52 2857.93,2567.93 3177.93,2567.93 3219.77,2526.09 3219.77,2372.04 3280.89,2310.93 3293.13,2310.93 3336.13,2267.93 v1@3727.93,2267.93 ; v1(4355.49,1352.93) 6275.86,1355.86 7502.93,2582.93 7502.93,3342.93 R16.1@7777.63,3617.63
  other v1: 3730.38,2268.49
NetTP1_0: TP1.0 U4.7 U6.20 | length 1906.2
  Top w10: v1(2894.57,2529.57) 2892.72,2531.43 2892.72,2539.13 2891.84,2540.01 2891.84,3098.64 2895,3101.8 2895,3605 TP1.0@2990,3700 3000,3700 3355,4055 U4.7@3497.36,4055
  Bottom w10: U6.20@2894.57,2490 v1(2894.57,2529.57)
NetTP2_0: TP2.0 U5.7 U6.53 | length 1616.2
  Top w10: v1(2815,1775) 2816.3,1776.3 2816.3,1933.15 v1(2818.16,1935) ; v1(3265,1005) 3285,985 3370,985 ; TP2.0@3362.13,908.78 3370,916.65 3370,985 ; U5.7@3492.7,985 3370,985
  Bottom w10: v1(2815,1775) 2815,1772.38 2810,1767.38 2810,1619.44 2975,1454.44 2975,1295 v1(3265,1005) ; v1(2818.16,1935) 2910.99,1935 2951.5,1894.49 2951.5,1866.21 U6.53@2951.85,1865.87
NRST: C21.2 SW2.2 SW2.3 U6.14 | length 2877.7
  Top w10: SW2.3@1423.27,688.74 SW2.2@1647.42,688.74 ; v1(1632.73,642.42) 1632.73,674.05 SW2.2@1647.42,688.74 ; SW2.2@1640.67,670 1975,670 2285,980 2285,1415.89 2624.28,1755.17 v1(2624.28,2295) ; SW2.2@1651.61,688.74 SW2.2@1647.42,688.74
  Bottom w10: C21.2@1569.01,610 1600.31,610 v1(1632.73,642.42) ; v1(2624.28,2295) 2709.73,2295 2774.68,2359.95 U6.14@2774.68,2474.13
PRECHARGE_BUFF_OUT: U6.42 U6.51 | length 312.8
  Bottom w10: U6.51@2991.22,1865.87 2990.87,1866.21 2990.87,1909.34 2975,1925.21 2975,2085.4 2980.86,2091.26 U6.42@3059.13,2091.26
VA: C5.1 D8.2 D10.1 L1.2 M4.1 Q1.2 Q2.1 R7.2 | length 1504.4
  Top w20: M4.1@3425,3265 M4.1@3430,3265 3578.15,3265 3913.15,2930 Q1.2@3913.15,2920 ; Q2.1@3908.15,1985 Q2.1@3908.15,1995
  Bottom w40: Q2.1@3908.15,1985 3992.3,2069.15 4041.19,2069.15 R7.2@4052.04,2080 ; Q1.2@3913.15,2920 3980,2920 4082.5,2817.5 4112.5,2817.5 C5.1@4115,2815 4195,2815 4236.38,2856.38 4293.5,2856.38 D8.2@4297.13,2860 ; R7.2@4065,2075 4228.28,2075 4240,2063.28 D10.1@4240,2015
pads on no net: J1. J1.3 J1.4 J1.9 J1.10 J2.7 MECH1.1 MECH2.1 MECH3.1 MECH4.1 MP1.1 MP1.2 U6.1 U6.2 U6.3 U6.4 U6.5 U6.7 U6.8 U6.9 U6.10 U6.11 U6.15 U6.18 U6.19 U6.26 U6.30 U6.31 U6.33 U6.34 U6.39 U6.40 U6.43 U6.44 U6.45 U6.46 U6.47 U6.52 U6.54 U6.55 U6.56 U6.57 U6.58 U6.59 U6.60 U6.61 U6.62 U6.71 U6.72 U6.73 U6.80 U6.81 U6.84 U6.85 U6.86 U6.87 U6.88 U6.89 U6.91 U6.92 U6.94 U6.96 U7.4 U7.5 U7.11 U7.14 U9.9 U9.11 U11.4

## Polygon pours and split planes (outlines as drawn)
GND on Bottom "GND_L04_P091" (solid, remove dead copper, pour order 91): 3650.15,1020 cw(c-46019.81,-5536.84) 3755.2,168.03 ccw(c3865,180.5) 3865,70 8045,70 8045,415 8400,415 8400,4300 8055,4300 8055,4653.91 3740,4653.91 3650,3565 4450,3565 4450,1227.65 3815,1227.65
+3.3 on Bottom "+3.3_L04_P048" (solid, remove dead copper, pour order 48): 1245,425 1590,425 1590,80 3555,80 3555,1060 3560,1065 3555,1070 3285,1070 3285,3835 3585,3835 3585,4645 2310,4645 2310,3645 2185,3645 2185,1095 1245,1095
CAR_GND on Bottom "CAR_GND_L04_P092" (solid, remove dead copper, pour order 92): 1590,4656.65 1590,4310 1245,4310 1245,1120 2145,1120 2145,3675 2260,3675 2260,4653.35
Bat+ on Top "BAT+_L01_P086" (solid, remove dead copper, pour order 86): 7730,2255 8400,2255 8400,3125 7510,3125 ccw(c7510,3050) 7435,3050 7435,1460 ccw(c7540,1450) 7530,1345 8375,1345 ccw(c8375,1370) 8400,1370 8400,1685 ccw(c8370,1685) 8370,1715 7735,1715 cw(c7735,1740) 7710,1740 7710,2235 cw(c7730,2235)
NetK1_4 on Top "NETK1_4_L01_P085" (solid, pour order 85): 7820,1780 8380,1780 ccw(c8380,1800) 8400,1800 8400,2175 ccw(c8375,2175) 8375,2200 7800,2200 ccw(c7800,2180) 7780,2180 7780,1820 ccw(c7820,1820)
NetF1_2 on Top "NETF1_2_L01_P084" (solid, remove dead copper, pour order 84): 8075,3885 7495,3885 7495,3410 7495,3180 8345,3180 ccw(c8345,3235) 8400,3235 8400,4260 ccw(c8380,4260) 8380,4280 8121.21,4280 cw(c8121.21,4391.57) 8042.32,4312.68 cw(c8084.14,4354.5) 8025,4354.5 8025,4625 ccw(c8000,4625) 8000,4650 7855,4650 ccw(c7855,4625) 7830,4625 7830,4200 ccw(c7870,4200) 7870,4160 8025,4160 cw(c8025,4110) 8075,4110
inductor_input on Top "ARRAY_HAL_OUT" (solid, remove dead copper, pour order 96): 4490,1300 4490,1740 cw(c4520,1740) 4520,1770 5715,1770 ccw(c5725.34,2113.75) 5997.58,1903.62 ccw(c5927.27,1957.89) 6012.06,1984.37 cw(c7331.73,2396.46) 6054.86,2926.53 cw(c6140.1,2891.14) 6140.1,2983.43 7245,2983.43 cw(c7244.86,2901.57) 7326.72,2901.72 7310.45,720.22 cw(c7249.78,720.67) 7249.78,660 3970,660 cw(c3970,690) 3940,690 3940,1015 ccw(c3931.82,1015) 3931.82,1023.18 3652.85,1023.18 3713.57,1197.22 cw(c3759.71,1181.12) 3759.71,1230 4420,1230 ccw(c4420,1300)
+3.3 on Top "+3.3_L01_P049" (solid, remove dead copper, pour order 49): 1245,425 1590,425 1590,80 3570,80 3575,75 3575,1090 3290,1090 3290,3840 3585,3840 3585,4645 2310,4645 2310,3645 2185,3645 2185,1090 1245,1090
NetF1_1 on Top "BAT_HAL_OUT" (solid, remove dead copper, pour order 71): 3650,4090 7700,4090 7760,4150 7760,4630 ccw(c7740,4630) 7740,4650 3740,4650
Array_Measure on Top "ARRAY_HAL_IN" (solid, remove dead copper, pour order 68): 7470,545 7470,580 ccw(c7440,580) 7440,610 3910,610 cw(c3910,625) 3895,625 3895,985 ccw(c3883.25,985) 3883.25,996.75 3651.24,996.75 3784.34,107.8 ccw(c3828.22,114.37) 3828.22,70 8340,70 ccw(c8340,130) 8400,130 8400,515 ccw(c8385.01,515.01) 8385,530 7485,530 cw(c7485,545)
boost_output on Top "BAT_HAL_IN" (solid, remove dead copper, pour order 93): 7405.86,3295.86 cw(c6788.16,3913.55) 6788.16,3040 3877.07,3040 cw(c3877.07,3069.14) 3856.46,3048.54 3375.61,3529.39 cw(c3437.43,3591.21) 3350,3591.21 3350,3745 cw(c3370,3745) 3370,3765 3681.78,3765 ccw(c3681.78,3788.21) 3704.55,3792.69 3650.08,4069.57 7410.43,4069.57 cw(c7410.43,4025) 7455,4025 7455,3414.5 cw(c7287.23,3414.49)
VA on Top "VA_L01_P065" (solid, remove dead copper, pour order 65): 5575,1860 3800,1860 cw(c3800,1895) 3765,1895 3765,2945 cw(c3810,2945) 3810,2990 5575,2990 cw(c5059,2425)
+24 on Top "+24_L01_P090" (solid, remove dead copper, pour order 90): 2145,3675 2260,3675 2260,4105 1445,4105 1445,1335 2145,1335
NetC28_2 on Top "NETC28_2_L01_P082" (solid, remove dead copper, pour order 82): 1590,4655 1590,4310 1249.51,4310 1244.99,1120 2125,1120 2125,1315 1415,1315 1415,4120 2260,4120 2260,4655
Array+ on Top "ARRAY+_L01_P088" (solid, remove dead copper, pour order 88): 8360,1295 7565,1295 ccw(c7565,1245) 7515,1245 7515,635 ccw(c7545,635) 7545,605 8345,605 ccw(c8345,660) 8400,660 8400,1255 ccw(c8360,1255)
CAR_GND on GND (split plane): 2259.92,4654.92 2259.92,3675.08 2170,3675.08 2166.08,3674.77 2162.25,3673.85 2158.62,3672.34 2155.26,3670.29 2152.27,3667.73 2149.71,3664.74 2147.66,3661.39 2146.15,3657.75 2145.23,3653.92 2144.92,3650 2144.92,1120.08 1245.08,1120.08 1245.08,4525 1245.08,4533.52 1247.31,4550.4 1251.72,4566.85 1258.23,4582.58 1266.75,4597.33 1277.11,4610.84 1289.16,4622.89 1302.67,4633.25 1317.42,4641.77 1333.15,4648.29 1349.6,4652.69 1366.48,4654.92 1375,4654.92
CAR_GND on GND (split plane): 167 vertices, not listed, extent 1245.08,70.08 8399.92,4654.92
GND on PWR_GND (split plane): 2259.92,4654.92 2259.92,3675.08 2170,3675.08 2166.08,3674.77 2162.25,3673.85 2158.62,3672.34 2155.26,3670.29 2152.27,3667.73 2149.71,3664.74 2147.66,3661.39 2146.15,3657.75 2145.23,3653.92 2144.92,3650 2144.92,1120.08 1245.08,1120.08 1245.08,4525 1245.08,4533.52 1247.31,4550.4 1251.72,4566.85 1258.23,4582.58 1266.75,4597.33 1277.11,4610.84 1289.16,4622.89 1302.67,4633.25 1317.42,4641.77 1333.15,4648.29 1349.6,4652.69 1366.48,4654.92 1375,4654.92
GND on PWR_GND (split plane): 171 vertices, not listed, extent 1245.08,70.08 8399.92,4654.92

## Other copper
PWR_GND (plane layer: these items are gaps in the copper):
  lines w50: 1180,1280 1180,1095 2170,1095 2170,3650 2285,3650 2285,4715 2610,4715 ; 1830,4720 2160,4720 ; 3261.92,4688.47 3320,4750 ; 3310,1125 3310,2130 ; 3310,2385 3310,3805 3610,3805 3610,4690 3650,4730 ; 3310,3455 3310,3570 ; 3320,0 3560,0 ; 3320,1125 3610,1125 3610,0 3800,0
GND (plane layer: these items are gaps in the copper):
  lines w50: 1170,1095 2170,1095 2170,3650 ; 2610,4720 2285,4720 2285,3650 2170,3650 ; 2715,4725 3225,4725 3260,4760 ; 3310,2130 3310,1180 3310,1125 3610,1125 3610,5 ; 3310,2385 3310,3805 3610,3805 3610,3870 3610,4695 3580,4725 3380,4725 ; 3380,0 3850,0 ; 2170,3650 2170,3650

## Silkscreen, mask and mechanical layers (free items; w line width, h text height)
Top Overlay:
  drawing of 2 lines, arcs and shapes, not listed
  text "MPPT" at 1275,4240 h60 r270
  text "UMNSVP" at 1370,4240 h60 r270
  text "BAT CURRENT" at 2770,3790 h36
  text "TEMP" at 2760,3570 h36 r90
  text "BAT+" at 2985,3570 h40
  text "VA" at 3040,3245 h40
  text "HIGH GATE" at 2790,3040 h40
  text "HIGH VOLTAGE" at 3450,2880 h118.11 r270
  text "HIGH DRIVE" at 2710,2780 h36
  text "GND" at 2285,2610 h36
  text "UART" at 2260,2485 h36 r90
  text "DEBUG" at 3090,1890 h36
  text "LOW DRIVE" at 2705,1595 h36
  text "LOW GATE" at 3185,1155 h40
  text "BOOT" at 1335,830 h60 r90
  text "ARRAY CURRENT" at 2965,805 h36
  text "Temperature" at 2833,694.97 h36 r90
  text "Input Voltage" at 2348,640.99 h36 r90
  text "Input Current" at 2468,640.99 h36 r90
  text "Output Voltage" at 2588,605 h36 r90
  text "Output Current" at 2708,605 h36 r90
  text "INDUCTOR INPUT" at 3030,575 h40
  text "RESET" at 1335,465 h60 r90
  text "GND" at 2710,455 h36
  text "MPPT REV2.2" at 2750,320 h60
  text "Maxim Erickson" at 2750,225 h60
  text "Spring 2023" at 2750,149.99 h60
Bottom Overlay:
  drawing of 17 lines, arcs and shapes, not listed
Mechanical 1:
  lines w10: 1370,0 8270,0 ccw(c8270,200) 8470,200 8470,4525 ccw(c8270,4525) 8270,4725 1375,4725 ccw(c1375,4525) 1175,4525 1175,200 ccw(c1375,200) 1375,0
  lines w47: 1175,200 ccw(c1375,200) 1375,0 ; 1175,200 ccw(c1375,200) 1375,0 ; 1175,200 ccw(c1375,200) 1375,0 ; 1175,200 ccw(c1375,200) 1375,0 ; 1175,200 ccw(c1375,200) 1375,0 ; 1175,200 1175,4525 ; 1175,200 1175,4525 ; 1175,200 1175,4525 ; 1175,200 1175,4525 ; 1175,200 1175,4525 ; 1175,4525 cw(c1375,4525) 1375,4725 ; 1175,4525 cw(c1375,4525) 1375,4725 ; 1175,4525 cw(c1375,4525) 1375,4725 ; 1175,4525 cw(c1375,4525) 1375,4725 ; 1175,4525 cw(c1375,4525) 1375,4725 ; 1370,0 8270,0 ; 1370,0 1375,0 ; 1370,0 8270,0 ; 1370,0 1375,0 ; 1370,0 8270,0 ; 1370,0 1375,0 ; 1370,0 8270,0 ; 1370,0 1375,0 ; 1370,0 8270,0 ; 1370,0 1375,0 ; 1375,4725 8270,4725 ; 1375,4725 8270,4725 ; 1375,4725 8270,4725 ; 1375,4725 8270,4725 ; 1375,4725 8270,4725 ; 5720,3835 6020,3835 ; 5720,3835 5720,4035 ; 5720,3835 6020,3835 ; 5720,3835 5720,4035 ; 5720,3835 6020,3835 ; 5720,3835 5720,4035 ; 5720,3835 6020,3835 ; 5720,3835 5720,4035 ; 5720,3835 6020,3835 ; 5720,3835 5720,4035 ; 5720,4035 6020,4035 ; 5720,4035 6020,4035 ; 5720,4035 6020,4035 ; 5720,4035 6020,4035 ; 5720,4035 6020,4035 ; 5745,695 6045,695 ; 5745,695 5745,895 ; 5745,695 6045,695 ; 5745,695 5745,895 ; 5745,695 6045,695 ; 5745,695 5745,895 ; 5745,695 6045,695 ; 5745,695 5745,895 ; 5745,695 6045,695 ; 5745,695 5745,895 ; 5745,895 6045,895 ; 5745,895 6045,895 ; 5745,895 6045,895 ; 5745,895 6045,895 ; 5745,895 6045,895 ; 6020,3835 6020,4035 ; 6020,3835 6020,4035 ; 6020,3835 6020,4035 ; 6020,3835 6020,4035 ; 6020,3835 6020,4035 ; 6045,695 6045,895 ; 6045,695 6045,895 ; 6045,695 6045,895 ; 6045,695 6045,895 ; 6045,695 6045,895 ; 8270,0 ccw(c8270,200) 8470,200 ; 8270,0 ccw(c8270,200) 8470,200 ; 8270,0 ccw(c8270,200) 8470,200 ; 8270,0 ccw(c8270,200) 8470,200 ; 8270,0 ccw(c8270,200) 8470,200 ; 8270,4725 cw(c8270,4525) 8470,4525 ; 8270,4725 cw(c8270,4525) 8470,4525 ; 8270,4725 cw(c8270,4525) 8470,4525 ; 8270,4725 cw(c8270,4525) 8470,4525 ; 8270,4725 cw(c8270,4525) 8470,4525 ; 8470,200 8470,4525 ; 8470,200 8470,4525 ; 8470,200 8470,4525 ; 8470,200 8470,4525 ; 8470,200 8470,4525
  lines w47.24: 1175,200 ccw(c1375,200) 1375,0 1370,0 8270,0 ccw(c8270,200) 8470,200 8470,4525 ccw(c8270,4525) 8270,4725 1375,4725 ccw(c1375,4525) 1175,4525 1175,200 ; 5720,3835 6020,3835 6020,4035 5720,4035 5720,3835 ; 5745,695 6045,695 6045,895 5745,895 5745,695